# Altium PCB EA08AI测试板.PcbDoc (part 1 of 2)
Units mm, origin at the board's own origin, x right, y up, seen from the top; angles counter-clockwise.
Board outline 148 x 105.5 mm, 2 copper layers (Top Layer, Bottom Layer), stack 1.261 mm thick; 278 components, 217 nets, 924 pads, 454 vias.
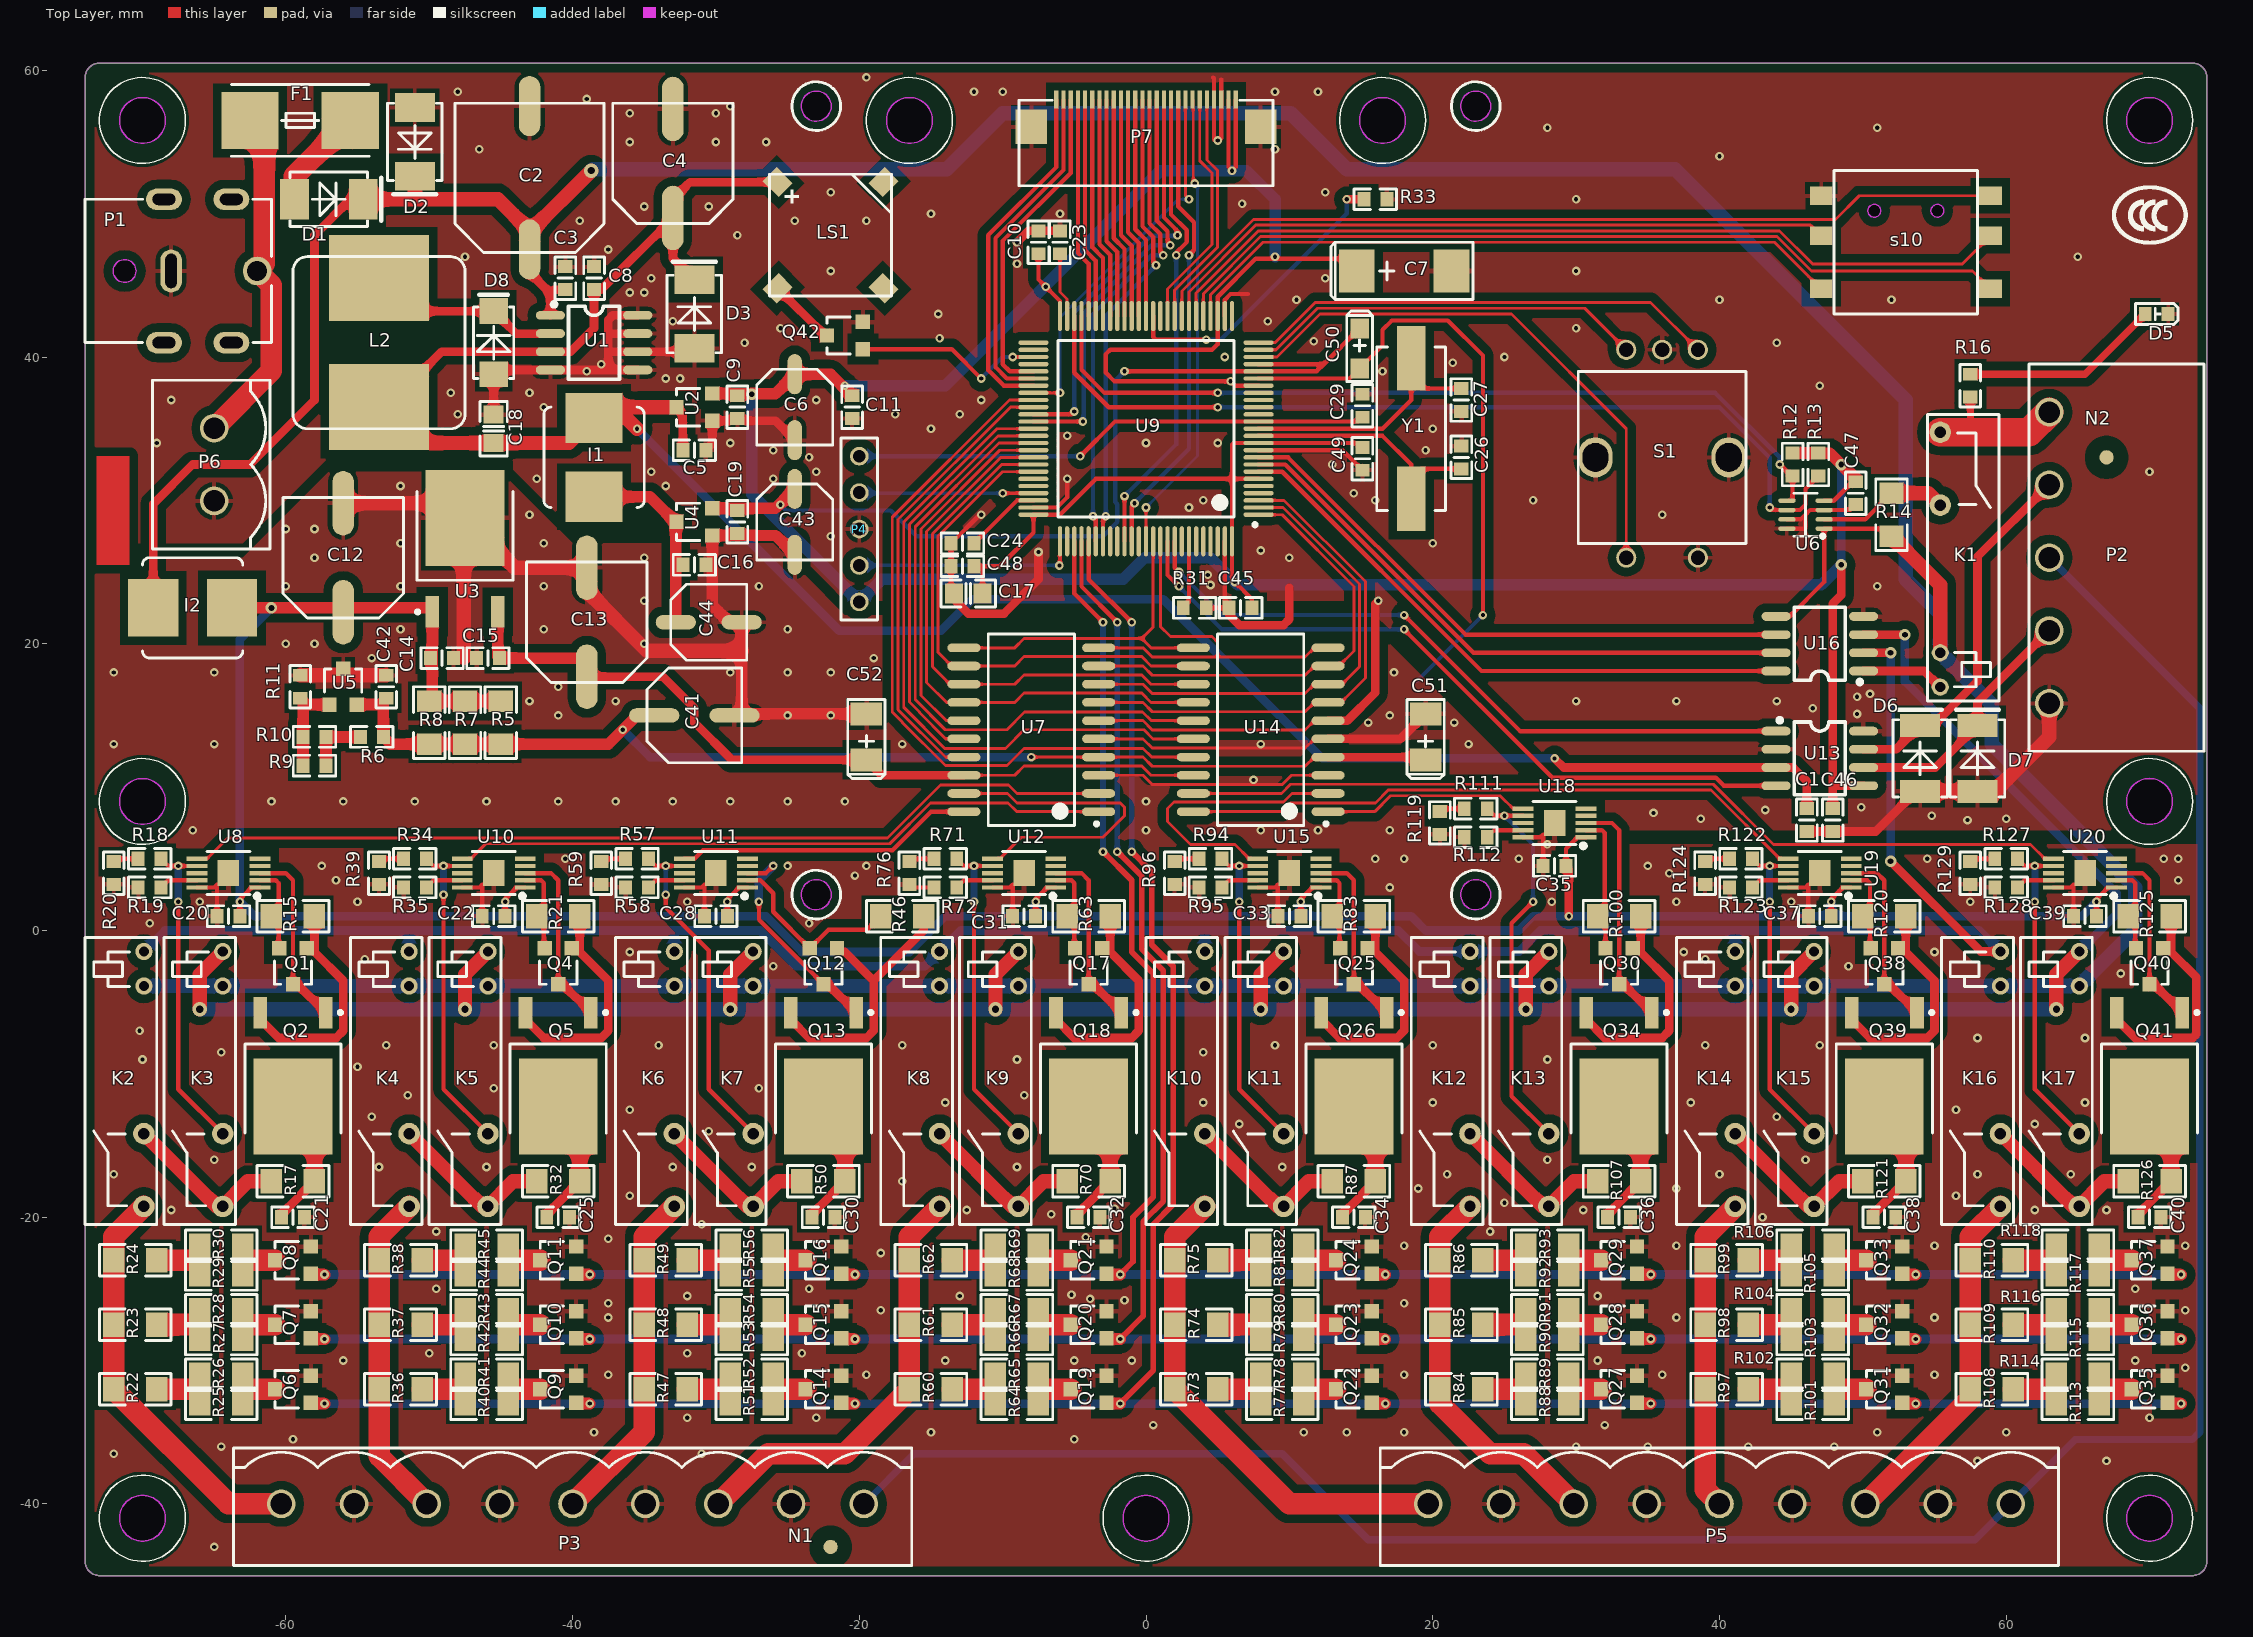
[diagram p0: Top Layer view]
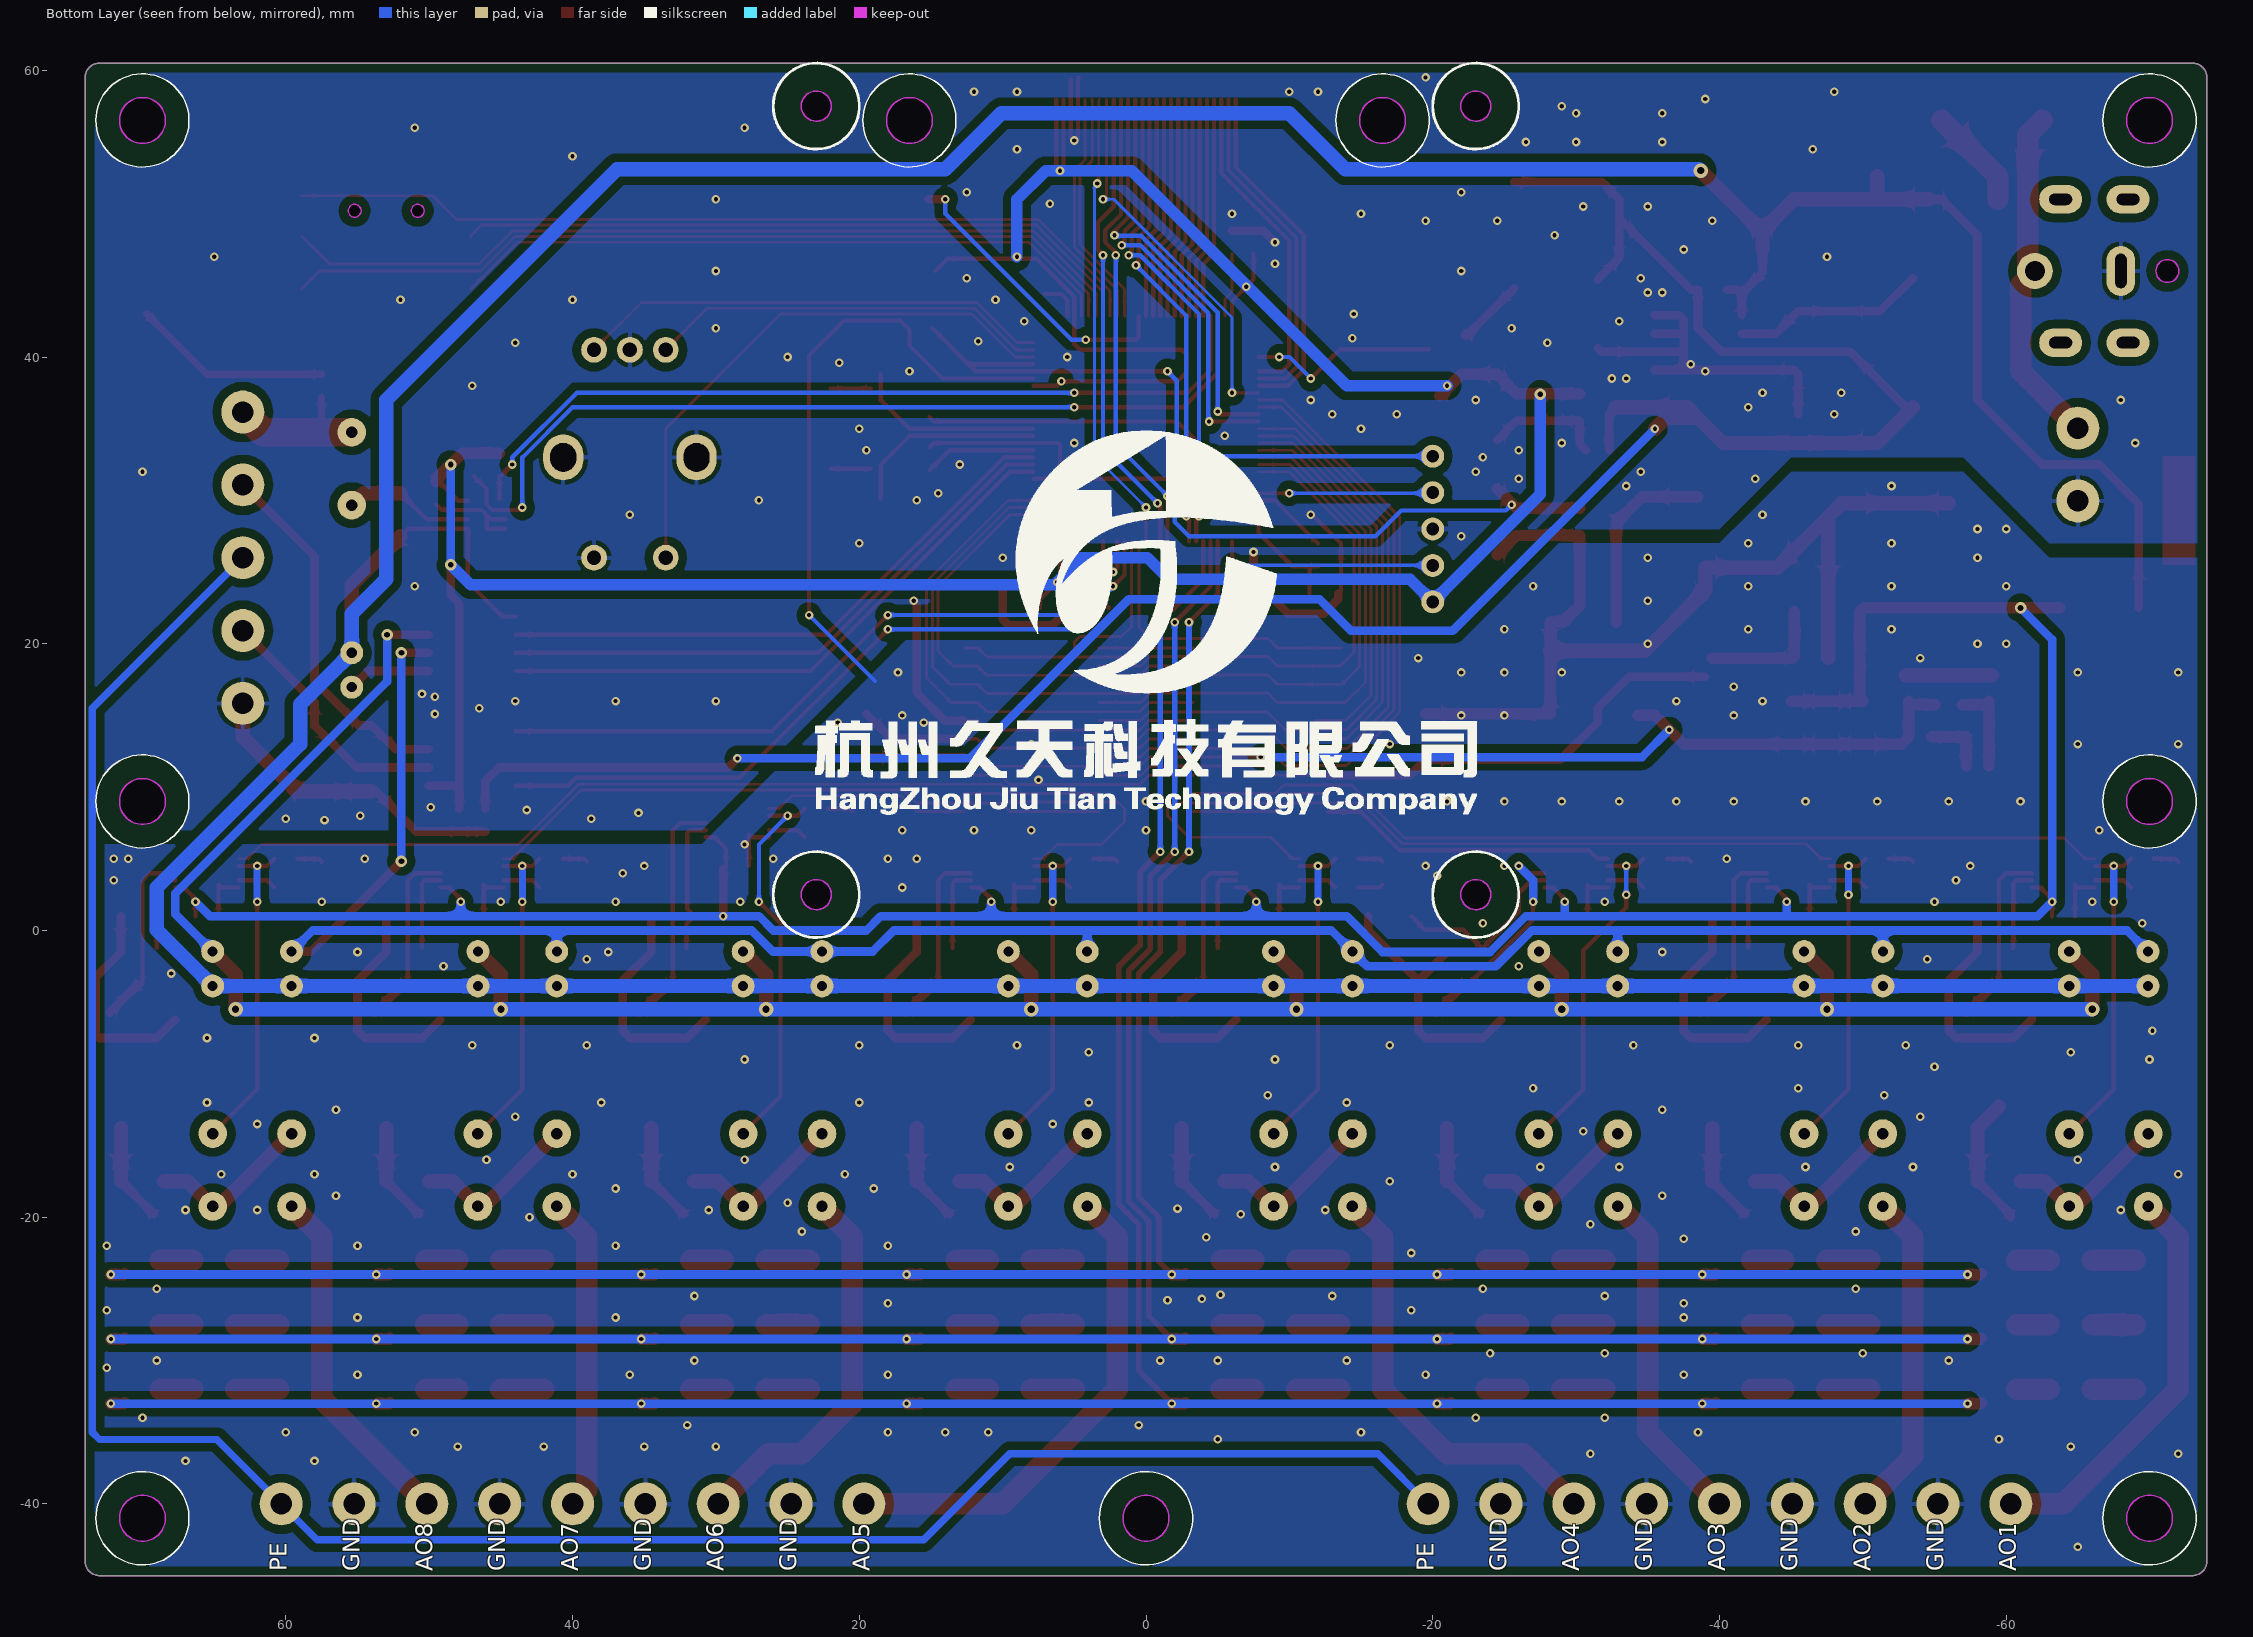
[diagram p1: Bottom Layer view, seen from below]
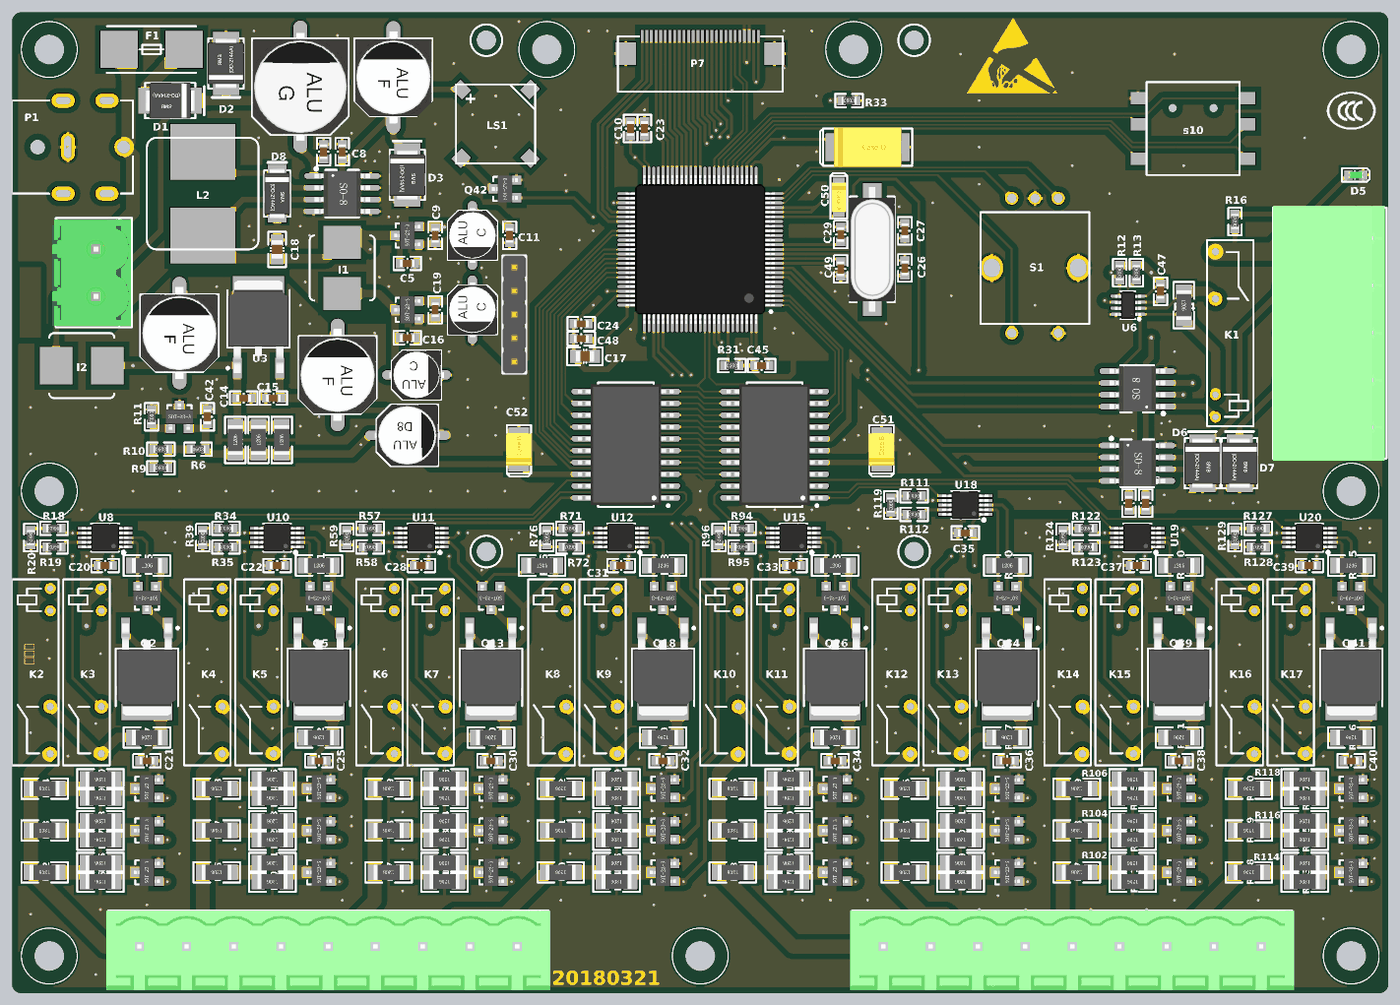
[diagram p3: 3D render of the assembled board from above, using the file's embedded part models]

## Layer stack, top to bottom
Top Solder: solder mask 0.0102, Solder Resist, Dk 3.5
Top Layer: signal copper 0.0356
Dielectric1: dielectric 1.19, FR-4, Dk 4.8
Bottom Layer: signal copper 0.0356
Bottom Solder: solder mask 0.0102, Solder Resist, Dk 3.5

## Board outline
-74,-44 -74,59.5 cw(c-73,59.5) -73,60.5 73,60.5 cw(c73,59.5) 74,59.5 74,-44 cw(c73,-44) 73,-45 -73,-45 cw(c-73,-44)
cut-out: -23,3.55 ccw(c-23,2.5) -24.05,2.5 ccw(c-23,2.5) -23,1.45 ccw(c-23,2.5) -21.95,2.5 ccw(c-23,2.5)
cut-out: 23,3.55 ccw(c23,2.5) 21.95,2.5 ccw(c23,2.5) 23,1.45 ccw(c23,2.5) 24.05,2.5 ccw(c23,2.5)
cut-out: 23,58.55 ccw(c23,57.5) 21.95,57.5 ccw(c23,57.5) 23,56.45 ccw(c23,57.5) 24.05,57.5 ccw(c23,57.5)
cut-out: -23,58.55 ccw(c-23,57.5) -24.05,57.5 ccw(c-23,57.5) -23,56.45 ccw(c-23,57.5) -21.95,57.5 ccw(c-23,57.5)
cut-out: 70,-42.6 cw(c70,-41) 68.4,-41 cw(c70,-41) 70,-39.4 cw(c70,-41) 71.6,-41 cw(c70,-41)
cut-out: -70,-42.6 cw(c-70,-41) -71.6,-41 cw(c-70,-41) -70,-39.4 cw(c-70,-41) -68.4,-41 cw(c-70,-41)
cut-out: -70,54.9 cw(c-70,56.5) -71.6,56.5 cw(c-70,56.5) -70,58.1 cw(c-70,56.5) -68.4,56.5 cw(c-70,56.5)
cut-out: 70,54.9 cw(c70,56.5) 68.4,56.5 cw(c70,56.5) 70,58.1 cw(c70,56.5) 71.6,56.5 cw(c70,56.5)
cut-out: 0,-42.6 cw(c0,-41) -1.6,-41 cw(c0,-41) 0,-39.4 cw(c0,-41) 1.6,-41 cw(c0,-41)
cut-out: -70,7.4 cw(c-70,9) -71.6,9 cw(c-70,9) -70,10.6 cw(c-70,9) -68.4,9 cw(c-70,9)
cut-out: 70,7.4 ccw(c70,9) 71.6,9 ccw(c70,9) 70,10.6 ccw(c70,9) 68.4,9 ccw(c70,9)
cut-out: -16.5,54.9 cw(c-16.5,56.5) -18.1,56.5 cw(c-16.5,56.5) -16.5,58.1 cw(c-16.5,56.5) -14.9,56.5 cw(c-16.5,56.5)
cut-out: 16.5,54.9 cw(c16.5,56.5) 14.9,56.5 cw(c16.5,56.5) 16.5,58.1 cw(c16.5,56.5) 18.1,56.5 cw(c16.5,56.5)

## Design rules (kind name [scope] priority, off if disabled: settings)
Clearance Clearance敷铜间隔 [InPolygon] p1: gap=0.6
Clearance Clearance通用间隔 [All] p2: gap=0.2
PlaneConnect [All] p1: planeconnectstyle=Relief reliefexpansion=0.508 reliefentries=4 reliefconductorwidth=0.3 reliefairgap=0.3
PolygonConnect PolygonConnect_过孔 [All vs IsVia] p1: connectstyle=Direct reliefconductorwidth=0.254 reliefentries=4 polygonreliefangle="90 Angle" airgapwidth=0.254
PolygonConnect [All] p2: connectstyle=Relief reliefconductorwidth=0.3 reliefentries=4 polygonreliefangle="90 Angle" airgapwidth=0.3
RoutingVias [All] p1: holewidth=0.5 width=1 viastyle="Through Hole" minholewidth=0.4 minwidth=0.8 maxholewidth=10 maxwidth=10
SolderMaskExpansion [All] p1: expansion=0.102
Width [All] p1: maxlimit=10 minlimit=0.2 preferedwidth=0.5
29 further rules are at their usual default settings.

## Components (designator, comment, footprint, x,y, rotation, side; value= is the part's Value field where it differs from the comment)
C1 "104" C-0603 46.1,7.7 r90 top
C2 "470UF/35V" 贴片固态电容10*10 -43,52.5 r90 top
C3 "104" C-0603 -40.5,45.5 r270 top
C4 "470UF/16V" 贴片固态电容8*10-M -33,53.5 r90 top
C5 "104" C-0603 -31.5,33.5 r180 top
C6 "100UF/10V" 贴片固态电容5*5.3 -24.5,36.5 r270 top
C7 "100UF/10V" C-7343 18,46 r180 top
C8 "104" C-0603 -38.5,45.5 r270 top
C9 "104" C-0603 -28.5,36.5 r90 top
C10 "104" C-0603 -7.5,48 r270 top
C11 "104" C-0603 -20.5,36.5 r90 top
C12 "220UF/35V" 贴片固态电容8*10-M -56,26 r90 top
C13 "470UF/16V" 贴片固态电容8*10-M -39,21.5 r90 top
C14 "104" C-0603 -49.1,19 r180 top
C15 "104" C-0603 -45.9,19 r0 top
C16 "104" C-0603 -31.5,25.5 r180 top
C17 "226" C-0805 -12.4,23.5 r0 top
C18 "106" C-0805 -45.5,35 r270 top
C19 "104" C-0603 -28.5,28.5 r90 top
C20 "104" C-0603 -64,1 r0 top
C21 "103" C-0603 -59.5,-20 r0 top
C22 "104" C-0603 -45.5,1 r0 top
C23 "225" C-0603 -6,48 r270 top
C24 "225" C-0603 -12.8,27 r0 top
C25 "103" C-0603 -41,-20 r0 top
C26 "20P" C-0603 22,33 r270 top
C27 "20P" C-0603 22,37 r90 top
C28 "104" C-0603 -30,1 r0 top
C29 "104" C-0603 15.1,36.6 r270 top
C30 "103" C-0603 -22.5,-20 r0 top
C31 "104" C-0603 -8.5,1 r0 top
C32 "103" C-0603 -4,-20 r0 top
C33 "104" C-0603 10,1 r0 top
C34 "103" C-0603 14.5,-20 r0 top
C35 "104" C-0603 28.5,4.5 r0 top
C36 "103" C-0603 33,-20 r0 top
C37 "104" C-0603 47,1 r0 top
C38 "103" C-0603 51.5,-20 r0 top
C39 "104" C-0603 65.5,1 r0 top
C40 "103" C-0603 70,-20 r0 top
C41 "220UF/16V" 贴片固态电容6.3*7.7 -31.5,15 r0 top
C42 "104" C-0603 -53,17 r270 top
C43 "100UF/10V" 贴片固态电容5*5.3 -24.5,28.5 r270 top
C44 "100UF/10V" 贴片固态电容5*5.3 -30.5,21.5 r0 top
C45 "104" C-0603 6.6,22.5 r0 top
C46 "104" C-0603 47.9,7.7 r90 top
C47 "104" C-0603 49.5,30.5 r90 top
C48 "104" C-0603 -12.8,25.4 r0 top
C49 "104" C-0603 15.1,32.9 r90 top
C50 "22UF/10V" C-3216 14.9,40.6 r90 top
C51 "22UF/25V" C-3528 19.5,13.5 r270 top
C52 "22UF/25V" C-3528 -19.5,13.5 r270 top
D1 "SS36" SMB -57,51 r180 top
D2 "SMBJ24A" SMB -51,55 r90 top
D3 "SMBJ5.0A" SMB -31.5,43 r270 top
D5 "" LED-0603-GREEN 70.5,43 r180 top
D6 "SMBJ5.0A" SMB-N 54,12 r270 top
D7 "SMBJ5.0A" SMB-N 58,12 r270 top
D8 "SS16" SMA -45.5,41 r270 top
F1 "1A" FUSE-1808保险丝座 -59,56.5 r0 top
I1 "100UH" CDRH74R -38.5,33 r180 top
I2 "100UH" CDRH74R -66.5,22.5 r90 top
K1 "HF49FD-D24-1H11" HF49FD-D24-1H11 57,26 r90 top
K2 "HF49FD-D24-1H11" HF49FD-D24-1H11 -71.5,-10.5 r270 top
K3 "HF49FD-D24-1H11" HF49FD-D24-1H11 -66,-10.5 r270 top
K4 "HF49FD-D24-1H11" HF49FD-D24-1H11 -53,-10.5 r270 top
K5 "HF49FD-D24-1H11" HF49FD-D24-1H11 -47.5,-10.5 r270 top
K6 "HF49FD-D24-1H11" HF49FD-D24-1H11 -34.5,-10.5 r270 top
K7 "HF49FD-D24-1H11" HF49FD-D24-1H11 -29,-10.5 r270 top
K8 "HF49FD-D24-1H11" HF49FD-D24-1H11 -16,-10.5 r270 top
K9 "HF49FD-D24-1H11" HF49FD-D24-1H11 -10.5,-10.5 r270 top
K10 "HF49FD-D24-1H11" HF49FD-D24-1H11 2.5,-10.5 r270 top
K11 "HF49FD-D24-1H11" HF49FD-D24-1H11 8,-10.5 r270 top
K12 "HF49FD-D24-1H11" HF49FD-D24-1H11 21,-10.5 r270 top
K13 "HF49FD-D24-1H11" HF49FD-D24-1H11 26.5,-10.5 r270 top
K14 "HF49FD-D24-1H11" HF49FD-D24-1H11 39.5,-10.5 r270 top
K15 "HF49FD-D24-1H11" HF49FD-D24-1H11 45,-10.5 r270 top
K16 "HF49FD-D24-1H11" HF49FD-D24-1H11 58,-10.5 r270 top
K17 "HF49FD-D24-1H11" HF49FD-D24-1H11 63.5,-10.5 r270 top
L2 "220UH" CDRH127R -53.5,41 r270 top
LS1 "16R" "蜂鸣器 YH-8503-A" -22,48.5 r270 top
N1 "光学定位点" MARK-1mm-3mm -22,-43 r0 top
N2 "光学定位点" MARK-1mm-3mm 67,33 r0 top
P1 "DC-007B-5.5*2.5" DC-007B -74,46 r90 top
P2 "" KF2EDGVC-5.08-5P弯针 63,26 r90 top
P3 "输出接口" KF2EDGVC-5.08-9P -40,-40 r0 top
P4 "ST-LINK" HDR1X5 -20,28 r90 top
P5 "输出接口" KF2EDGVC-5.08-9P 40,-40 r0 top
P6 "DC24V-IN" KF2EDGVC-5.08-2P -65,32.5 r270 top
P7 "FPC1mm-26p" FPC-0.5mm_26P下接翻盖 0,57 r180 top
Q1 "MMBT3906" SOT-23 -59.5,-2.5 r90 top
Q2 "SUD50P06-15" TO-252 -59.5,-9 r180 top
Q4 "MMBT3906" SOT-23 -41,-2.5 r90 top
Q5 "SUD50P06-15" TO-252 -41,-9 r180 top
Q6 "AO3400" SOT-23 -59.5,-32 r0 top
Q7 "AO3400" SOT-23 -59.5,-27.5 r0 top
Q8 "AO3400" SOT-23 -59.5,-23 r0 top
Q9 "AO3400" SOT-23 -41,-32 r0 top
Q10 "AO3400" SOT-23 -41,-27.5 r0 top
Q11 "AO3400" SOT-23 -41,-23 r0 top
Q12 "MMBT3906" SOT-23 -22.5,-2.5 r90 top
Q13 "SUD50P06-15" TO-252 -22.5,-9 r180 top
Q14 "AO3400" SOT-23 -22.5,-32 r0 top
Q15 "AO3400" SOT-23 -22.5,-27.5 r0 top
Q16 "AO3400" SOT-23 -22.5,-23 r0 top
Q17 "MMBT3906" SOT-23 -4,-2.5 r90 top
Q18 "SUD50P06-15" TO-252 -4,-9 r180 top
Q19 "AO3400" SOT-23 -4,-32 r0 top
Q20 "AO3400" SOT-23 -4,-27.5 r0 top
Q21 "AO3400" SOT-23 -4,-23 r0 top
Q22 "AO3400" SOT-23 14.5,-32 r0 top
Q23 "AO3400" SOT-23 14.5,-27.5 r0 top
Q24 "AO3400" SOT-23 14.5,-23 r0 top
Q25 "MMBT3906" SOT-23 14.5,-2.5 r90 top
Q26 "SUD50P06-15" TO-252 14.5,-9 r180 top
Q27 "AO3400" SOT-23 33,-32 r0 top
Q28 "AO3400" SOT-23 33,-27.5 r0 top
Q29 "AO3400" SOT-23 33,-23 r0 top
Q30 "MMBT3906" SOT-23 33,-2.5 r90 top
Q31 "AO3400" SOT-23 51.5,-32 r0 top
Q32 "AO3400" SOT-23 51.5,-27.5 r0 top
Q33 "AO3400" SOT-23 51.5,-23 r0 top
Q34 "SUD50P06-15" TO-252 33,-9 r180 top
Q35 "AO3400" SOT-23 70,-32 r0 top
Q36 "AO3400" SOT-23 70,-27.5 r0 top
Q37 "AO3400" SOT-23 70,-23 r0 top
Q38 "MMBT3906" SOT-23 51.5,-2.5 r90 top
Q39 "SUD50P06-15" TO-252 51.5,-9 r180 top
Q40 "MMBT3906" SOT-23 70,-2.5 r90 top
Q41 "SUD50P06-15" TO-252 70,-9 r180 top
Q42 "2N7002" SOT-23 -21,41.5 r0 top
R5 "2K" R-1206 -45,14.5 r90 top
R6 "470" R-0603 -54,13.5 r0 top
R7 "2K" R-1206 -47.5,14.5 r90 top
R8 "2K" R-1206 -50,14.5 r90 top
R9 "1.5K" R-0603 -58,11.5 r0 top
R10 "" R-0603 -58,13.5 r0 top
R11 "470" R-0603 -59,17 r270 top
R12 "10K" R-0603 45.1,32.5 r270 top
R13 "10K" R-0603 46.9,32.5 r270 top
R14 "0.1" R-1206 52,29 r270 top
R15 "15" R-1206 -59.5,1 r0 top
R16 "10K" R-0603 57.5,38 r90 top
R17 "15" R-1206 -59.5,-17.5 r180 top
R18 "4.99K" R-0603 -69.5,5 r180 top
R19 "1K" R-0603 -69.5,3 r180 top
R20 "10R" R-0603 -72,4 r270 top
R21 "15" R-1206 -41,1 r0 top
R22 "0" R-1206 -70.5,-32 r180 top
R23 "0" R-1206 -70.5,-27.5 r180 top
R24 "0" R-1206 -70.5,-23 r180 top
R25 "100" R-1206 -64.5,-33 r180 top
R26 "NC" R-1206 -64.5,-31 r180 top
R27 "100" R-1206 -64.5,-28.5 r180 top
R28 "NC" R-1206 -64.5,-26.5 r180 top
R29 "100" R-1206 -64.5,-24 r180 top
R30 "NC" R-1206 -64.5,-22 r180 top
R31 "10K" R-0603 3.4,22.5 r0 top
R32 "15" R-1206 -41,-17.5 r180 top
R33 "10K" R-0603 16,51 r0 top
R34 "4.99K" R-0603 -51,5 r180 top
R35 "1K" R-0603 -51,3 r180 top
R36 "0" R-1206 -52,-32 r180 top
R37 "0" R-1206 -52,-27.5 r180 top
R38 "0" R-1206 -52,-23 r180 top
R39 "10R" R-0603 -53.5,4 r270 top
R40 "100" R-1206 -46,-33 r180 top
R41 "NC" R-1206 -46,-31 r180 top
R42 "100" R-1206 -46,-28.5 r180 top
R43 "NC" R-1206 -46,-26.5 r180 top
R44 "100" R-1206 -46,-24 r180 top
R45 "NC" R-1206 -46,-22 r180 top
R46 "15" R-1206 -17,1 r0 top
R47 "0" R-1206 -33.5,-32 r180 top
R48 "0" R-1206 -33.5,-27.5 r180 top
R49 "0" R-1206 -33.5,-23 r180 top
R50 "15" R-1206 -22.5,-17.5 r180 top
R51 "100" R-1206 -27.5,-33 r180 top
R52 "NC" R-1206 -27.5,-31 r180 top
R53 "100" R-1206 -27.5,-28.5 r180 top
R54 "NC" R-1206 -27.5,-26.5 r180 top
R55 "100" R-1206 -27.5,-24 r180 top
R56 "NC" R-1206 -27.5,-22 r180 top
R57 "4.99K" R-0603 -35.5,5 r180 top
R58 "1K" R-0603 -35.5,3 r180 top
R59 "10R" R-0603 -38,4 r270 top
R60 "0" R-1206 -15,-32 r180 top
R61 "0" R-1206 -15,-27.5 r180 top
R62 "0" R-1206 -15,-23 r180 top
R63 "15" R-1206 -4,1 r0 top
R64 "100" R-1206 -9,-33 r180 top
R65 "NC" R-1206 -9,-31 r180 top
R66 "100" R-1206 -9,-28.5 r180 top
R67 "NC" R-1206 -9,-26.5 r180 top
R68 "100" R-1206 -9,-24 r180 top
R69 "NC" R-1206 -9,-22 r180 top
R70 "15" R-1206 -4,-17.5 r180 top
R71 "4.99K" R-0603 -14,5 r180 top
R72 "1K" R-0603 -14,3 r180 top
R73 "0" R-1206 3.5,-32 r180 top
R74 "0" R-1206 3.5,-27.5 r180 top
R75 "0" R-1206 3.5,-23 r180 top
R76 "10R" R-0603 -16.5,4 r270 top
R77 "100" R-1206 9.5,-33 r180 top
R78 "NC" R-1206 9.5,-31 r180 top
R79 "100" R-1206 9.5,-28.5 r180 top
R80 "NC" R-1206 9.5,-26.5 r180 top
R81 "100" R-1206 9.5,-24 r180 top
R82 "NC" R-1206 9.5,-22 r180 top
R83 "15" R-1206 14.5,1 r0 top
R84 "0" R-1206 22,-32 r180 top
R85 "0" R-1206 22,-27.5 r180 top
R86 "0" R-1206 22,-23 r180 top
R87 "15" R-1206 14.5,-17.5 r180 top
R88 "100" R-1206 28,-33 r180 top
R89 "NC" R-1206 28,-31 r180 top
R90 "100" R-1206 28,-28.5 r180 top
R91 "NC" R-1206 28,-26.5 r180 top
R92 "100" R-1206 28,-24 r180 top
R93 "NC" R-1206 28,-22 r180 top
R94 "4.99K" R-0603 4.5,5 r180 top
R95 "1K" R-0603 4.5,3 r180 top
R96 "10R" R-0603 2,4 r270 top
R97 "0" R-1206 40.5,-32 r180 top
R98 "0" R-1206 40.5,-27.5 r180 top
R99 "0" R-1206 40.5,-23 r180 top
R100 "15" R-1206 33,1 r0 top
R101 "100" R-1206 46.5,-33 r180 top
R102 "NC" R-1206 46.5,-31 r180 top
R103 "100" R-1206 46.5,-28.5 r180 top
R104 "NC" R-1206 46.5,-26.5 r180 top
R105 "100" R-1206 46.5,-24 r180 top